# Altium PCB SMT 4.0.PcbDoc (part 2 of 3)
Units mm, origin at the board's own origin, x right, y up, seen from the top; angles counter-clockwise.
Board outline 220 x 90 mm, 2 copper layers (Top Layer, Bottom Layer); 192 components, 69 nets, 761 pads, 236 vias.
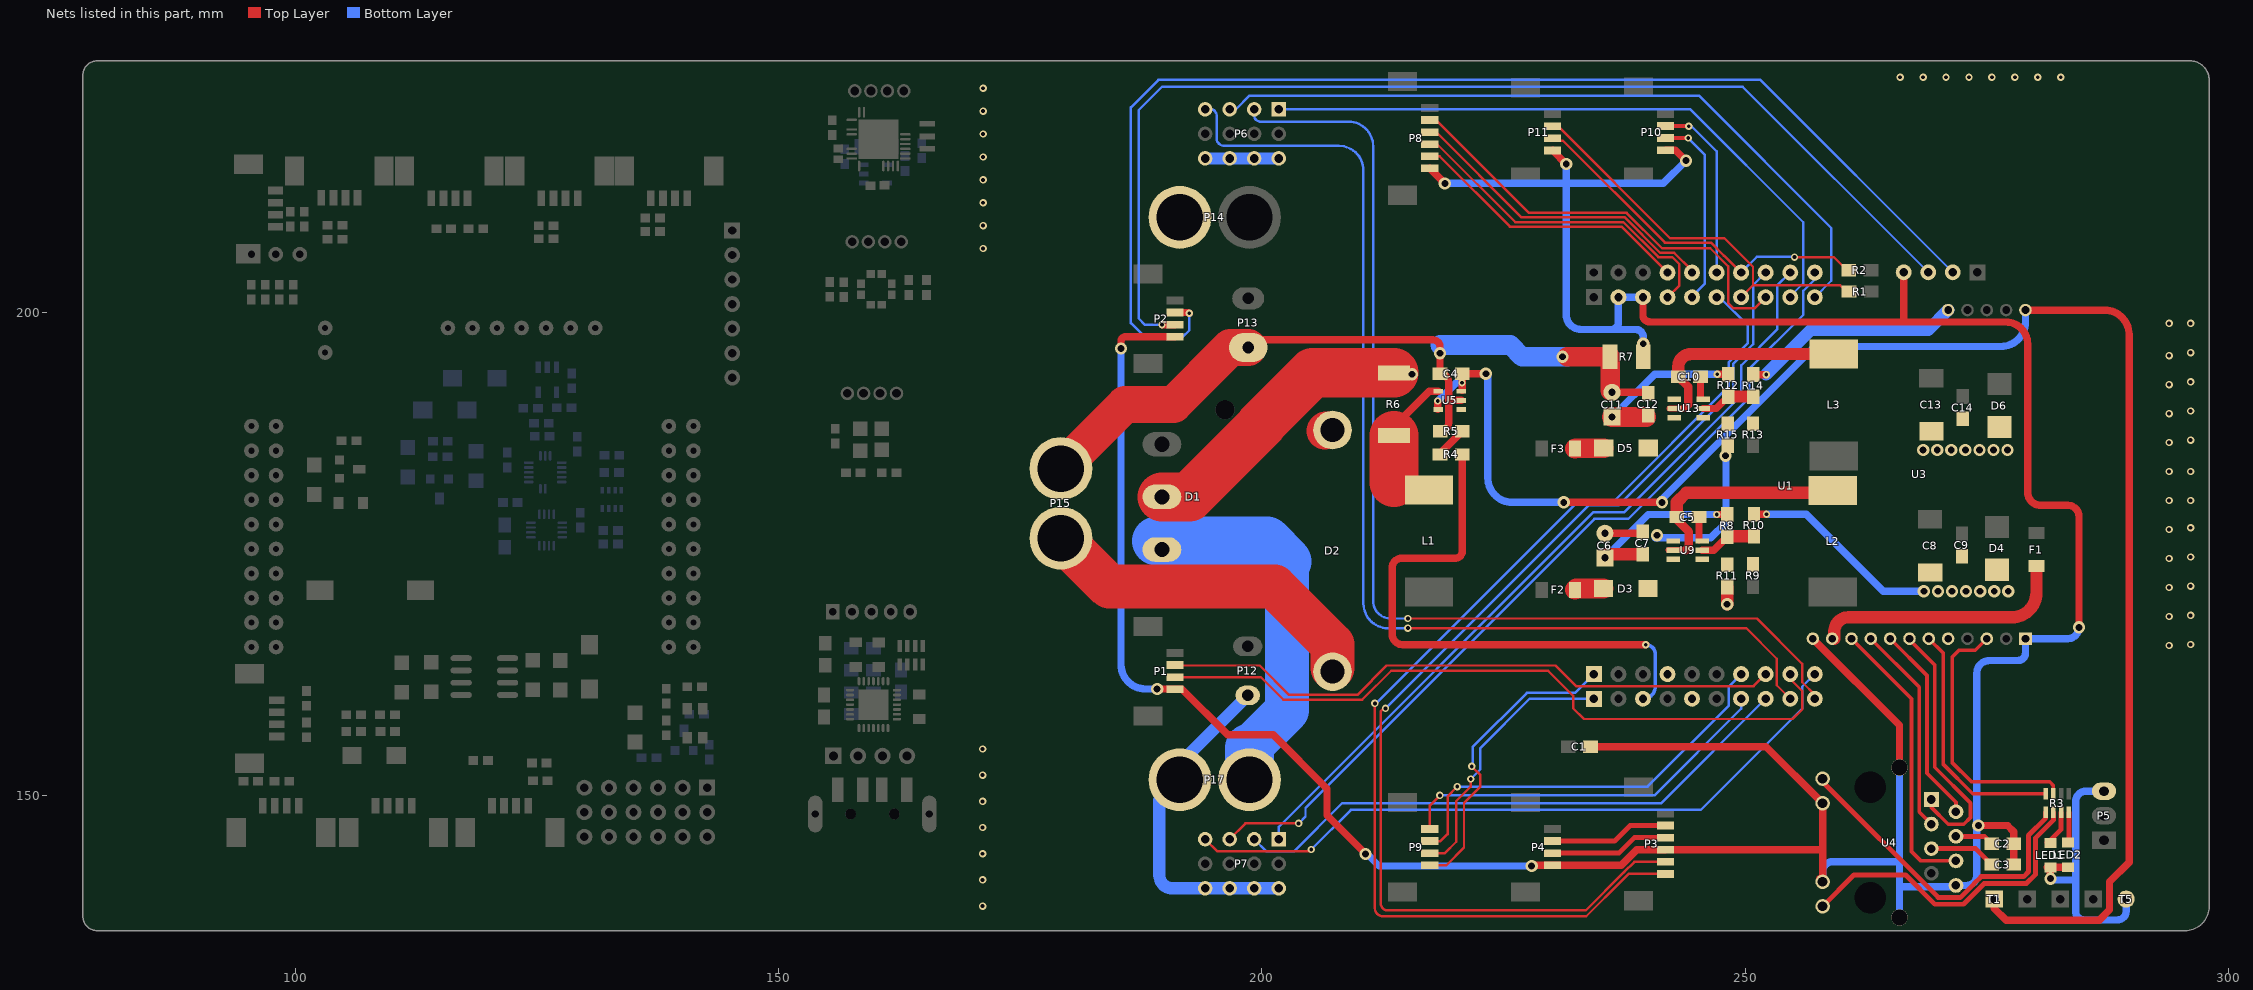
[diagram p2: the nets of this part, all layers, seen from the top]

## Via types
v1: diameter 0.762, hole 0.381, Top Layer to Bottom Layer, 103 vias
v2: diameter 0.762, hole 0.406, Top Layer to Bottom Layer, 61 vias
v3: diameter 1.27, hole 0.711, Top Layer to Bottom Layer, 49 vias
v4: diameter 0.508, hole 0.254, Top Layer to Bottom Layer, 23 vias

## Nets (pads, with @x,y where several pads share a name; then routed paths per layer and width w, separated by ;. In a path a pad name is that pad's centre, name@x,y a point inside that pad or via, vN(x,y) a via of type N, cw(c..) or ccw(c..) an arc to the next point about the centre after c; other vN are vias at no path point) (continued)
CAMERA_USB_D+: P3.3 P4.3 | length 12.3
  Top Layer w0.508: P4.3@230.064,144.021 236.927,144.021 238.528,145.622 P3.3@241.748,145.622
CAMERA_USB_D-: P3.2 P4.2 | length 12.3
  Top Layer w0.508: P4.2@230.064,145.271 236.471,145.271 238.072,146.872 P3.2@241.748,146.872
CURRENT_COLLECT(C1): R4.1 U1.43 | length 58.9
  Top Layer w0.762: R4.1@220.715,185.269 220.715,175.223 cw(c220.04,175.223) 220.04,174.549 214.478,174.549 ccw(c214.478,173.533) 213.462,173.533 213.462,166.689 ccw(c214.551,166.689) 214.551,165.6 v1(239.7,165.6)
  Bottom Layer w0.381: U1.43@239.419,159.994 ccw(c239.419,161.275) 240.7,161.275 240.7,164.6 ccw(c239.7,164.6) v1(239.7,165.6)
DGND: C1.1 C2.1 C3.1 P1.4 P2.4 P3.4 P4.4 P8.6 P10.4 P11.4 R7.2 U1.2 U1.3 U1.64 U3.1@278.992,166.21 U3.12 U4.8 U4.10 U4.11 U4.13 U4.14 | length 398.4
  Top Layer w0.762: v3(185.42,196.24) 185.42,196.995 cw(c185.877,196.995) 185.877,197.453 P2.4@190.999,197.453 ; v3(189.154,161.011) 190.967,161.011 cw(c190.967,160.978) P1.4@190.999,160.978 191.726,160.978 196.444,156.261 201.168,156.261 206.731,150.698 206.731,147.93 v3(210.718,143.942) ; P8.6@217.364,214.872 v3(218.923,213.313) ; v3(227.9,142.7) 227.971,142.771 P4.4@230.064,142.771 237.171,142.771 238.772,144.372 P3.4@241.748,144.372 ; P11.4@230.064,216.731 v3(231.48,215.316) ; C1.1@233.985,155.042 252.153,155.042 U4.10@258.009,149.186 258.009,144.3 ; U1.3@239.419,201.542 239.419,199.646 ccw(c240.055,199.646) 240.055,199.009 240.089,198.975 276.944,198.975 cw(c276.944,196.698) 279.222,196.698 279.222,181.369 ccw(c280.581,181.369) 280.581,180.01 283.383,180.01 cw(c283.383,178.862) 284.531,178.862 v3(284.531,167.386) ; P10.4@241.748,216.757 242.78,216.757 v3(243.865,215.671) ; 242.772,144.372 257.937,144.372 258.009,144.3 ; U3.12@256.992,166.21 265.957,157.245 U4.13@265.957,152.872 ; U4.11@257.69,141.376 U4.11@258.009,141.058 258.009,144.3 ; 266.39,199.009 U1.64@266.39,204.12 ; v3(274.117,146.888) 277.139,146.888 277.786,146.242 C2.1@277.786,145 C3.1@277.786,142.841
  Top Layer w1.27: R7.2@239.419,195.404 R7.2@239.446,195.377 v3(239.446,196.723)
  Bottom Layer w0.762: v3(185.42,196.24) 185.42,163.525 ccw(c187.935,163.525) 187.935,161.011 v3(189.154,161.011) ; v3(210.718,143.942) 210.718,144.094 212.113,142.7 v3(227.9,142.7) ; v3(218.923,213.313) 231.369,213.313 231.48,213.425 ; v3(231.48,215.316) 231.48,213.425 ; U1.3@239.419,201.542 U1.2@236.879,201.542 236.879,198.958 cw(c236.116,198.958) 236.116,198.196 ; v3(239.446,196.723) 239.446,197.434 ccw(c238.684,197.434) 238.684,198.196 236.116,198.196 ; v3(243.865,215.671) 241.507,213.313 231.48,213.313 ; U4.11@258.009,141.058 258.009,142.121 cw(c259.017,142.121) 259.017,143.129 265.862,143.129 ; U4.14@265.957,137.372 265.957,140.576 ; U4.13@265.957,152.872 265.957,140.576 ; v3(284.531,167.386) cw(c283.354,167.386) 283.354,166.21 U3.1@278.992,166.21 278.992,164.715 cw(c278.233,164.715) 278.233,163.957 275.26,163.957 ccw(c275.26,162.662) 273.964,162.662 273.964,141.732 cw(c272.914,141.732) 272.914,140.682 U4.8@271.799,140.682 cw(c271.681,140.682) 271.681,140.564 266.141,140.564 cw(c266.141,141.935) 265.957,140.576 ; 231.48,213.313 231.48,213.425 ; 231.48,213.313 231.48,199.729 ccw(c233.013,199.729) 233.013,198.196 236.116,198.196
EPHY_RX_N: U3.10 U4.6 | length 29.6
  Top Layer w0.381: U3.10@260.992,166.21 267.2,160.001 267.2,153.387 267.2,152.1 267.2,144.2 268.178,143.222 U4.6@271.799,143.222
EPHY_RX_P: U3.9 U4.3 | length 21.8
  Top Layer w0.381: U3.9@262.992,166.21 268,161.201 268,148.29 U4.3@269.259,147.032
EPHY_TX_N: U3.8 U4.2@271.799,148.302 | length 20.7
  Top Layer w0.381: U3.8@264.992,166.21 268.8,162.401 268.8,152.3 271.799,149.301 U4.2@271.799,148.302
EPHY_TX_P: U3.7 U4.1@269.259,149.572 | length 27
  Top Layer w0.381: U3.7@266.992,166.21 266.992,166.108 269.6,163.5 269.6,152.9 273.3,149.2 273.3,147.7 272.6,147 271,147 269.259,148.741 U4.1@269.259,149.572
GND: C4.1 C6.2 C7.1 C8.2 C9.1 C11.2 C12.1 C13.2 C14.1 D4.1 D6.1 LED1.2 LED2.2 P5.3 P6.3 P6.6 P6.9 P6.12 P7.3 P7.6 P7.9 P7.12 P12.2 P13.2 P14.2 P15.2 P17.2 R5.2 R7.1 R10.1 R11.1 R14.1 R15.1 T5.1 U3.13 U5.2 U9.1 U13.1 | length 217.7
  Top Layer w0.762: P13.2@198.574,196.336 199.367,197.129 217.674,197.129 cw(c217.674,196.383) 218.42,196.383 v3(218.42,195.738) C4.1@218.42,193.624 cw(c218.42,192.73) 219.314,192.73 219.314,190.373 ; R5.2@218.433,187.675 ccw(c218.433,188.556) 219.314,188.556 219.314,190.373 ; U5.2@220.63,190.866 219.807,190.866 ccw(c219.807,190.373) 219.314,190.373 ; C6.2@235.482,177.114 239.267,177.114 C7.1@239.394,177.241 ; C11.2@236.219,191.694 C12.1@239.877,191.694 ; R14.1@250.829,193.536 v1(252.158,193.536) ; R10.1@250.905,179.083 v1(252.196,179.083) ; LED1.2@281.23,142.57 LED2.2@283.389,142.57 ; v3(281.574,141.387) LED1.2@281.574,142.534
  Top Layer w1.27: v3(248.126,169.774) R11.1@248.126,171.564
  Top Layer w2.032: v3@231.597,195.377 R7.1@236.017,195.377 C11.2@236.017,191.896
  Top Layer w3.81: P15.2@179.197,183.813 185.833,190.449 190.83,190.449 196.717,196.336 P13.2@198.574,196.336
  Bottom Layer w0.762: v3@240.69,176.657 246.431,176.657 248.005,178.231 248.005,185.091 v3(247.955,185.141) ; v1(252.196,179.083) 256.324,179.083 264.287,171.12 v3(268.478,171.12) ; v3(281.574,141.387) ccw(c281.711,141.387) 281.711,141.249 284.175,141.249 ; P5.3@287.12,150.435 285.26,150.435 ccw(c285.26,149.35) 284.175,149.35 284.175,141.249 ; T5.1@289.408,139.268 289.408,138.024 cw(c288.493,138.024) 288.493,137.109 285.064,137.109 cw(c285.064,137.998) 284.175,137.998 284.175,141.249
  Bottom Layer w1.27: P6.12@194.115,215.9 P6.9@196.655,215.9 P6.6@199.195,215.9 P6.3@201.735,215.9 ; P12.2@198.525,160.343 191.511,153.329 P17.2@191.511,151.613 189.382,149.484 189.382,141.732 ccw(c190.729,141.732) 190.729,140.386 P7.12@194.115,140.386 P7.9@196.655,140.386 P7.6@199.195,140.386 P7.3@201.735,140.386 ; v1(252.158,193.536) 256.768,198.145 268.928,198.145 U3.13@270.992,200.21
  Bottom Layer w2.032: 218.44,196.596 225.704,196.596 226.924,195.377 v3@231.597,195.377
  other v2: 171.1,138.544 171.1,141.253 171.1,143.963 171.1,146.672 171.1,149.381 171.1,152.091 171.1,154.8 293.853,165.506 296.088,165.608 293.853,168.506 296.088,168.628 293.853,171.505 296.088,171.649 293.853,174.505 296.088,174.669 293.853,177.504 296.088,177.689 293.853,180.504 296.088,180.504 293.853,183.503 296.088,183.503 293.853,186.503 296.088,186.75 293.853,189.502 296.088,189.77 293.853,192.502 296.088,192.791 293.853,195.501 296.088,195.811 293.853,198.831 296.088,198.831 171.148,206.575 171.148,208.944 171.148,211.314 171.148,213.683 171.148,216.053 171.148,218.422 171.148,220.792 171.148,223.161 266.027,224.3 268.4,224.3 270.773,224.3 273.146,224.3 275.519,224.3 277.892,224.3 280.265,224.3 282.639,224.3
  other v3: 269.934,171.12 271.391,171.12 272.847,171.12 274.303,171.12 275.759,171.12 277.216,171.12 240.868,176.911 268.402,185.725 269.858,185.725 271.314,185.725 272.771,185.725 274.227,185.725 275.683,185.725 277.139,185.725 231.089,195.377
I2C_SCL(E10): P1.2 U1.53 | length 65
  Top Layer w0.254: P1.2@190.999,163.478 191.042,163.436 199.764,163.436 202.8,160.4 209.864,160.4 212.9,163.436 230.364,163.436 232.5,161.3 250.865,161.3 U1.53@252.109,162.544
I2C_SDA(E12): P1.3 U1.52 | length 74.5
  Top Layer w0.254: P1.3@190.999,162.228 199.872,162.228 202.2,159.9 210.372,159.9 213.372,162.9 229.6,162.9 232.2,160.3 232.2,159 233.3,157.9 254.9,157.9 255.9,158.9 255.9,160.8 254.659,162.041 U1.52@254.659,162.544
IN_24V: C4.2 D1.2 R6.2 T1.1 U3.16 U5.3 U5.5 | length 202.1
  Top Layer w0.762: U5.5@218.2,189.946 v1(218.2,190.8) ; U5.3@220.7,191.886 v1(220.7,192.7) ; U5.3@220.706,191.892 C4.2@220.706,193.624 v3(223.164,193.624) ; v3(231.216,180.315) v3(241.376,180.315) ; T1.1@275.768,139.268 275.768,138.303 276.987,137.084 286.614,137.084 287.68,138.151 287.68,141.046 289.712,143.078 289.712,197.67 ccw(c287.172,197.67) 287.172,200.21 U3.16@278.992,200.21
  Top Layer w5.08: D1.2@189.648,180.883 192.474,180.883 199.923,188.333 199.923,188.423 205.223,193.723 R6.2@213.645,193.723
  Bottom Layer w0.762: v1(218.2,190.8) 220.1,192.7 v1(220.7,192.7) ; v3@223.368,193.624 223.368,182.855 ccw(c225.908,182.855) 225.908,180.315 v3(231.216,180.315) ; v3@241.236,180.48 257.2,196.444 276.452,196.444 ccw(c276.452,198.984) 278.992,198.984 U3.16@278.992,200.21
  other v3: 215.519,193.573
IO(D0): P11.2 R1.2 U1.7 | length 40
  Top Layer w0.254: P11.2@230.064,218.977 230.882,218.977 242.214,207.645 247.853,207.645 250.8,204.698 250.8,202.774 ; U1.7@249.569,201.542 250.8,202.774 ; R1.2@260.274,202.311 259.811,202.774 250.8,202.774
IO(D1): P11.3 R2.2 U1.14 | length 38
  Top Layer w0.254: P11.3@230.064,217.727 231.142,217.727 241.681,207.188 246.442,207.188 247.795,205.835 ; 247.811,205.85 U1.14@249.569,204.092 ; v2(255.092,205.689) 259.156,205.689 260.807,204.038 R2.2@261.087,204.038
  Bottom Layer w0.254: U1.14@249.569,204.092 251.191,205.715 v2@255.118,205.715
NetC2_2: C2.2 U4.4 | length 4
  Top Layer w0.508: U4.4@271.799,145.762 274.738,145.762 C2.2@275.5,145
NetC3_2: C3.2 U4.5 | length 6.9
  Top Layer w0.508: U4.5@269.259,144.492 273.849,144.492 C3.2@275.5,142.841
NetC5_1: C5.1 L2.1 U9.2 | length 23.8
  Top Layer w0.635: U9.2@242.087,175.377 243.803,175.377
  Top Layer w0.889: C5.1@242.925,178.511 244.144,177.292 244.144,175.717 cw(c243.803,175.717) 243.803,175.377
  Top Layer w1.27: C5.1@242.925,178.791 242.925,180.341 243.889,181.305 258.795,181.305 ccw(c258.795,181.565) L2.1@259.055,181.565
NetC5_2: C5.2 U9.6 | length 2.3
  Top Layer w0.762: U9.6@245.211,176.454 C5.2@245.211,178.791
NetC6_1: C6.1 C7.2 D3.2 R8.2 U9.3 | length 18.6
  Top Layer w0.762: v1(247.039,179.057) R8.2@248.126,179.057
  Top Layer w1.27: C6.1@235.482,174.574 cw(c235.863,174.574) 235.863,174.955 C7.2@239.394,174.955
  Bottom Layer w0.762: C6.1@235.482,174.574 239.965,179.057 v1(247.039,179.057)
NetC10_1: C10.1 L3.1 U13.2 | length 23.3
  Top Layer w0.635: U13.2@242.189,190.033 243.753,190.033 244.118,190.398
  Top Layer w0.889: C10.1@243.077,193.292 244.118,192.251 244.118,190.398
  Top Layer w1.27: C10.1@243.077,193.319 243.077,194.354 cw(c244.385,194.354) 244.385,195.662 L3.1@259.156,195.662
NetC10_2: C10.2 U13.6 | length 2.1
  Top Layer w0.762: U13.6@245.363,191.237 C10.2@245.363,193.319
NetC11_1: C11.1 C12.2 D5.2 R12.2 U13.3 | length 17.4
  Top Layer w0.762: v1(247.103,193.56) R12.2@248.228,193.56
  Top Layer w2.032: C11.1@236.219,189.154 C12.2@239.775,189.154
  Bottom Layer w0.762: C11.1@236.219,189.154 240.626,193.56 v1(247.103,193.56)
NetD2_1: D2.1 L1.1 R6.1 U5.4 | length 12.7
  Top Layer w0.762: R6.1@213.645,187.246 213.645,188.145 217.316,191.816 U5.4@218.23,191.816
  Top Layer w3.81: D2.1@206.5,187.7 206.6,187.8 D2.1@207.3,187.8
  Top Layer w5.08: 213.645,182.372 R6.1@213.645,187.246
NetD3_1: D3.1 F2.2 | length 3
  Top Layer w2.032: F2.2@232.384,171.272 232.511,171.399 D3.1@235.33,171.399
NetD5_1: D5.1 F3.2 | length 3
  Top Layer w2.032: F3.2@232.384,185.877 232.434,185.928 D5.1@235.355,185.928
NetLED1_1: LED1.1 R3.4 | length 3.8
  Top Layer w0.508: LED1.1@281.23,145.11 281.31,145.11 282.677,146.477 R3.4@282.677,148.245
NetLED2_1: LED2.1 R3.2 | length 3
  Top Layer w0.508: LED2.1@283.477,145.197 R3.2@283.477,148.245
NetR3_6: R3.6 U4.12 | length 33.1
  Top Layer w0.508: U4.12@258.009,138.522 261.245,141.757 266.598,141.757 269.621,138.735 272.582,138.735 274.696,140.849 274.696,140.889 279.095,140.889 280.011,141.805 280.011,145.569 281.877,147.434 R3.6@281.877,148.245
NetR3_8: R3.8 U4.9 | length 34.6
  Top Layer w0.508: U4.9@258.009,151.722 258.009,151.388 269.951,139.446 272.237,139.446 272.254,139.462 272.304,139.462 273.647,140.805 273.647,140.845 274.401,141.6 278.8,141.6 279.3,142.1 279.3,145.864 281.077,147.64 R3.8@281.077,148.245
NetR4_2: R4.2 R5.1 U5.1 | length 3.2
  Top Layer w0.762: R4.2@218.429,185.385 R5.1@220.719,187.675
NetR8_1: R8.1 R10.2 U9.5 | length 6
  Top Layer w0.762: U9.5@245.544,175.377 246.732,175.377 R8.1@248.126,176.771
  Top Layer w1.27: R8.1@248.126,176.771 248.152,176.797 R10.2@250.905,176.797
NetR9_1: R9.1 R11.2 U9.4
NetR12_1: R12.1 R14.2 U13.5 | length 5.7
  Top Layer w0.762: U13.5@245.645,190.033 246.986,190.033 R12.1@248.228,191.274
  Top Layer w1.27: R12.1@248.228,191.274 R14.2@250.804,191.274
NetR13_1: R13.1 R15.2 U13.4
PLC_3.3V: R3.7 U3.6 | length 25.5
  Top Layer w0.381: U3.6@268.992,166.21 268.992,166.208 270.5,164.7 270.5,153.2 273.535,150.165 R3.7@281.077,150.165
PLC_12V: F1.2 U3.11 | length 26.7
  Top Layer w1.27: U3.11@259.218,166.21 259.218,166.968 cw(c260.677,166.968) 260.677,168.427 277.584,168.427 ccw(c277.584,170.967) 280.124,170.967 F1.2@280.124,173.721
PLC_ETH: R3.5 U3.3@274.992,166.21 | length 27.6
  Top Layer w0.381: U3.3@274.992,166.21 273.8,165.018 272.118,165.018 271.4,164.3 271.4,153.4 273.4,151.4 281.5,151.4 281.877,151.023 R3.5@281.877,150.165
PLC_PWR: U3.5
POWER_24V: D1.3 P17.1 | length 38.6
  Bottom Layer w4.572: 198.711,154.911 202.6,158.8 202.6,174.2
  Bottom Layer w5.08: D1.3@189.1,176.3 200.5,176.3 202.6,174.2 ; P17.1@198.711,151.613 198.711,154.911
SPI1_MISO(B4): P8.4 U1.4 | length 34.9
  Top Layer w0.254: P8.4@217.364,217.372 218.137,217.372 226.212,209.296 237.402,209.296 241.008,205.689 242.443,205.689 243.18,204.953 243.18,202.763 U1.4@241.959,201.542
SPI1_MOSI(B5): P8.5 U1.17 | length 29.6
  Top Layer w0.254: P8.5@217.364,216.122 218.371,216.122 225.654,208.839 237.212,208.839 U1.17@241.959,204.092
SPI1_NSS(A15): P8.2 U1.8 | length 45.5
  Top Layer w0.254: P8.2@217.364,219.872 217.999,219.872 227.609,210.261 237.73,210.261 241.388,206.604 246.38,206.604 248.234,204.749 248.234,200.939 248.787,200.387 250.953,200.387 U1.8@252.109,201.542
SPI1_SCK(B3): P8.3 U1.16 | length 33.3
  Top Layer w0.254: P8.3@217.364,218.622 218.03,218.622 226.847,209.804 237.541,209.804 241.198,206.146 242.632,206.146 244.494,204.285 U1.16@244.494,204.092
SWD_SCK: P2.3 U1.63 | length 116.2
  Top Layer w0.762: v1(189.662,198.679) 189.686,198.703 P2.3@190.999,198.703
  Bottom Layer w0.254: v1(189.662,198.679) 187.909,198.679 187.249,199.339 187.249,220.904 189.662,223.317 249.733,223.317 U1.63@268.93,204.12
SWD_SDO: P2.2 U1.62 | length 127
  Top Layer w0.762: P2.2@190.999,199.953 192.401,199.953 v1(192.481,199.873)
  Bottom Layer w0.254: v1(192.481,199.873) 192.481,198.12 191.77,197.409 187.884,197.409 186.436,198.857 186.436,221.183 189.281,224.028 251.562,224.028 U1.62@271.47,204.12
T24.0V: D2.2 P15.1 | length 35.1
  Top Layer w4.572: P15.1@179.197,176.613 184.21,171.6 201.3,171.6 207.3,165.6 D2.2@207.3,163.2
TIM1(E9): P7.4 U1.48 | length 60
  Bottom Layer w0.254: P7.4@199.195,145.466 200.46,144.2 203.3,144.2 208.3,149.2 241.315,149.2 U1.48@252.109,159.994
TIM1(E11): P6.10 U1.49 | length 116.1
  Top Layer w0.254: v2(215.1,167.3) 250.1,167.3 253.264,164.136 253.264,161.388 U1.49@254.659,159.994
  Bottom Layer w0.254: P6.10@194.115,220.98 194.683,220.98 cw(c194.683,220.363) 195.3,220.363 195.3,218 ccw(c196.1,218) 196.1,217.2 207.96,217.2 cw(c207.96,214.66) 210.5,214.66 210.5,169.84 ccw(c213.04,169.84) 213.04,167.3 v2(215.1,167.3)
TIM1(E13): P6.4 U1.50 | length 113.3
  Top Layer w0.254: v2(215.1,168.3) 251.2,168.3 ; 251.2,168.3 255.9,163.6 255.9,161.7 257.199,160.401 U1.50@257.199,159.994
  Bottom Layer w0.254: P6.4@199.195,220.98 199.195,220.353 ccw(c199.847,220.353) 199.847,219.7 208.96,219.7 cw(c208.96,217.16) 211.5,217.16 211.5,170.1 ccw(c213.3,170.1) 213.3,168.3 v2(215.1,168.3)
TIM1(E14): P7.10 U1.51 | length 72.5
  Top Layer w0.254: P7.10@194.115,145.466 195.38,144.2 204.9,144.2 v2(205.1,144.4)
  Bottom Layer w0.254: v2(205.1,144.4) 209.2,148.5 245.4,148.5 255.9,159 255.9,161.245 U1.51@257.199,162.544
TIM3(B0): P9.1 U1.47 | length 39.8
  Top Layer w0.254: P9.1@217.364,146.521 217.364,148.964 v2(218.4,150)
  Bottom Layer w0.254: v2(218.4,150) 240.6,150 249.569,158.969 U1.47@249.569,159.994
TIM3(B1): P9.2 U1.54 | length 42.8
  Top Layer w0.254: P9.2@217.364,145.271 218.471,145.271 219.2,146 219.2,149.9 v2(220.2,150.9)
  Bottom Layer w0.254: v2(220.2,150.9) 239.9,150.9 248.3,159.3 248.3,161.275 U1.54@249.569,162.544
TIM4(D12): P6.7 U1.10 | length 76.4
  Bottom Layer w0.254: P6.7@196.655,220.98 197.28,220.98 198.7,222.4 245.2,222.4 258.9,208.7 258.9,203.244 U1.10@257.199,201.542
TIM4(D13): P7.7 U1.11 | length 89
  Top Layer w0.254: P7.7@196.655,145.466 198.289,147.1 v2(203.8,147.1)
  Bottom Layer w0.254: v2(203.8,147.1) 204.5,147.8 204.5,148.7 234.4,178.6 237.9,178.6 250.4,191.1 250.4,194.1 256,199.7 256,202.2 257.199,203.399 U1.11@257.199,204.092
TIM4(D14): P6.1 U1.9 | length 67.4
  Bottom Layer w0.254: P6.1@201.735,220.98 244.32,220.98 256,209.3 256,202.983 254.659,201.641 U1.9@254.659,201.542
TIM4(D15): P7.1 U1.12 | length 82.4
  Bottom Layer w0.254: P7.1@201.735,145.466 201.735,146.735 234.3,179.3 237.5,179.3 249.6,191.4 249.6,194.5 253.3,198.2 253.3,202.734 U1.12@254.659,204.092
TIM10(F6): P9.3 U1.41 | length 27.8
  Top Layer w0.254: P9.3@217.364,144.021 218.921,144.021 220.1,145.2 220.1,149.4 221.6,150.9 v2(221.6,151.7)
  Bottom Layer w0.254: v2(221.6,151.7) 222.6,152.7 222.6,154.9 227.694,159.994 U1.41@234.339,159.994
TIM11(F7): P9.4 U1.60 | length 31.6
  Top Layer w0.254: P9.4@217.364,142.771 219.071,142.771 220.9,144.6 220.9,149.2 222.6,150.9 222.6,152.1 v2(221.7,153)
  Bottom Layer w0.254: v2@221.8,152.8 221.8,155 227.4,160.6 232.395,160.6 U1.60@234.339,162.544
U1_RX(A10): U1.57
U1_TX(A9): U1.45
U5_RX(D2): P3.6 U1.6 | length 115.3
  Top Layer w0.254: P3.6@241.748,141.872 237.925,141.872 237.306,141.253 237.3,141.253 233.547,137.5 212.5,137.5 cw(c212.5,138.316) 211.684,138.316 v2(211.684,159.516) ; v2(211.684,159.516) ccw(c211.6,159.516) 211.6,159.6 v2(211.684,159.516)
  Bottom Layer w0.254: v2@211.9,159.6 232.8,180.5 236.5,180.5 248.285,192.285 248.285,194.804 250.266,196.785 250.266,198.603 247.326,201.542 U1.6@247.034,201.542
U5_TX(C12): P3.5 U1.13 | length 115.5
  Top Layer w0.254: v2@212.573,159 212.3,158.727 212.3,138.8 ccw(c213,138.8) 213,138.1 233.5,138.1 237.46,142.06 237.466,142.06 238.528,143.122 P3.5@241.748,143.122
  Bottom Layer w0.254: v2(212.775,159) 233.775,180 236.9,180 248.742,191.842 248.742,194.615 250.825,196.698 250.825,202.809 U1.13@252.109,204.092
U6_RX(G9): P10.2 U1.15 | length 18.9
  Top Layer w0.381: P10.2@241.748,219.257 244.116,219.257 v1(244.145,219.227)
  Bottom Layer w0.254: v1(244.145,219.227) 244.45,219.227 247.034,216.643 U1.15@247.034,204.092
U6_TX(G14): P10.3 U1.5 | length 20.1
  Top Layer w0.381: P10.3@241.748,218.007 241.75,218.008 v1(244.094,218.008)
  Bottom Layer w0.254: v1(244.094,218.008) 245.796,216.306 245.796,202.921 244.494,201.618 U1.5@244.494,201.542
pads on no net: 0R.1 0R.2 1uF.1 1uF.2 8M.1 8M.2 8M.3 10K.1 10K.2 10K_1.1 10K_1.2 104.1 104.2 _1.1 _1.2 _1.3 _1.4 _2.1 _2.2 _2.3 _2.4 _3.0 _3.1 _3.2 _3.3 _3.4 _3.5 _3.6 _3.7 _3.8 _3.9 _3.10 _3.11 _3.12 _3.13 _3.14 _3.15 _3.16 _3.17 _3.18 _3.19 _3.20 _3.21 _3.22 _3.23 _3.24 _3.25 _3.26 _3.27 _3.28 C1_1.1 C1_1.2 C1_2.1 C1_2.2 C1_3.1 C1_3.2 C2_1.1 C2_1.2 C2_2.1 C2_2.2 C2_3.1 C2_3.2 C2_4.1 C2_4.2 C3_1.1 C3_1.2 C3_2.1 C3_2.2 C3_3.1 C3_3.2 C3_4.1 C3_4.2 C4_1.1 C4_1.2 C6_1.1 C6_1.2 C7_1.1 C7_1.2 C8_1.1 C8_1.2 C9_1.1 C9_1.2 C10_1.1 C10_1.2 C11_1.1 C11_1.2 C12_1.1 C12_1.2 C14_1.1 C14_1.2 C15.1 C15.2 C27.1 C27.2 C28.1 C28.2 C29.1 C29.2 C30.1 C30.2 C31.1 C31.2 C32.1 C32.2 C33.1 C33.2 C34.1 C34.2 C35.1 C35.2 C36.1 C36.2 C37.1 C37.2 C38.1 C38.2 C39.1 C39.2 C40.1 C40.2 C41.1 C41.2 C42.1 C42.2 C43.1 C43.2 C44.1 C44.2 C45.1 C45.2 C46.1 C46.2 C48.1 C48.2 C49.1 C49.2 C50.1 C50.2 C51.1 C51.2 C52.1 C52.2 D1.0 D1_1.1 D1_1.2 D2_1.1 D2_1.2 D3_1.1 D3_1.2 D4_1.1 D4_1.2 D5_1.1 D5_1.2 J1.0 J1.1 J1.2 J1.3 J1.4 J1_1.0 J1_1.1 J1_1.2 J1_1.3 J1_1.4 L2_1.1 L2_1.2 L2_1.3 L2_1.4 LS1.1 LS1.2 MS5837.1 MS5837.2 MS5837.3 MS5837.4 P1.0 P2.0 P2_1.0 P2_1.1 P2_1.2 P2_1.3 P2_1.4 P3.0 P3_1.0 P3_1.1 P3_1.2 P3_1.3 P3_1.4 P4.0 P4_1.0 P4_1.1 P4_1.2 P4_1.3 P4_1.4 P5_1.0 P5_1.1 P5_1.2 P5_1.3 P5_1.4 P6.5 P6.8 P6.11 P6_1.0 P6_1.1 P6_1.2 P6_1.3 P6_1.4 P7.5 P7.8 P7.11 P7_1.0 P7_1.1 P7_1.2 P7_1.3 P7_1.4 P8.0 P8_1.1 P8_1.2 P8_1.3 P8_1.4 P8_1.5 P8_1.6 P8_1.7 P9.0 P10.0 P10_1.0 P10_1.1 P10_1.2 P10_1.3 P10_1.4 P11.0 P11_1.1 P11_1.2 P11_1.3 P11_1.4 P11_1.5 P11_1.6 P11_1.7 P11_1.8 P11_1.9 P11_1.10 P11_1.11 P11_1.12 P11_1.13 P11_1.14 P11_1.15 P11_1.16 P11_1.17 P11_1.18 P13_1.0 P13_1.1 P13_1.2 P13_1.3 P13_1.4 Q1.1 Q1.2 Q1.3 Q2.1 Q2.2 Q2.3 R1_1.1 R1_1.2 R1_2.1 R1_2.2 R2_1.1 R2_1.2 R2_2.1 R2_2.2 R3_1.1 R3_1.2 R3_2.1 R3_2.2 R4_1.1 R4_1.2 R4_2.1 R4_2.2 R5_1.1 R5_1.2 R6_1.1 R6_1.2 R7_1.1 R7_1.2 R10_1.1 R10_1.2 R11_1.1 R11_1.2 R14_1.1 R14_1.2 R15_1.1 R15_1.2 R16.1 R16.2 R17.1 R17.2 R18.1 R18.2 R19.1 R19.2 R20.1 R20.2 R21.1 R21.2 R23.1 R23.2 RT9193.1 RT9193.2 RT9193.3 RT9193.4 RT9193.5 T8U6.1 T8U6.2 T8U6.3 T8U6.4 T8U6.5 T8U6.6 T8U6.17 T8U6.18 T8U6.19 T8U6.21 T8U6.22 T8U6.25 T8U6.26 T8U6.27 T8U6.28 T8U6.33 T8U6.34 T8U6.35 T8U6.36 T8U6.37 U1.1 U1.42 U1.44 U1.46 U1.55 U1.56 U1.58 U1.59 U1_1.1 U1_1.2 U1_1.3 U1_1.4 U1_1.5 U1_1.6 U1_1.7 U1_1.8 U1_2.1 U1_2.2 U1_2.3 U1_2.4 U1_2.5 U1_2.6 U1_2.7 U1_2.8 U2_1.1 U2_1.2 U2_1.3 U3.0 U3.1@157.863,222.884 U3.2 U3.3@161.242,222.884 U3.4 U3.14 U3.15 U3_1.1 U3_1.2 U3_1.3 U3_1.4 U3_1.5 U3_1.7 U3_1.8 U3_1.9 U3_1.10 U3_1.11 U3_1.12 U3_1.13 U3_1.14 U3_1.15 U3_1.16 U4.1@156.163,215.82 U4.2@156.163,216.937 U4.7 U4.MH3 U4_1.1 U4_1.2 U4_1.3 U4_1.4 U4_1.5 U4_1.6 U4_1.7 U4_1.8 U4_1.9 U4_1.10 U4_1.11 U4_1.12 U4_1.13 U4_1.14 U4_1.15 U4_1.16 U5_1.1 U5_1.2 U5_1.3 U5_1.4 U5_1.5 U5_1.6 U5_1.7 U5_1.8 U6.1 U6.2 U6.3 U6.4 U6.5 U7.0 U7.1 U7.4 U7.5 U7.6 U7.7 U7.8 U7.9 U7.10 U7.13 U7.14 U7.15 U7.16 U7.17 U7.18 U7.19 U7.20 U7.21 U7.22 U7.23 U7.24 U7.28 U7.29 U7.30 U7.31 U7.38 U7.43 U7.44 U7.45 U7.46 U7.47 U7.48 U7.49 U7.51 U7.52 U7.53 U7.57 U7.58 U7.59 U7.60 U7.61 U7.62 U7.63 U7.64 U7.65 U7.66 U7.67 电源.1 电源.2